# KiCad board ovc5.kicad_pcb (continued)
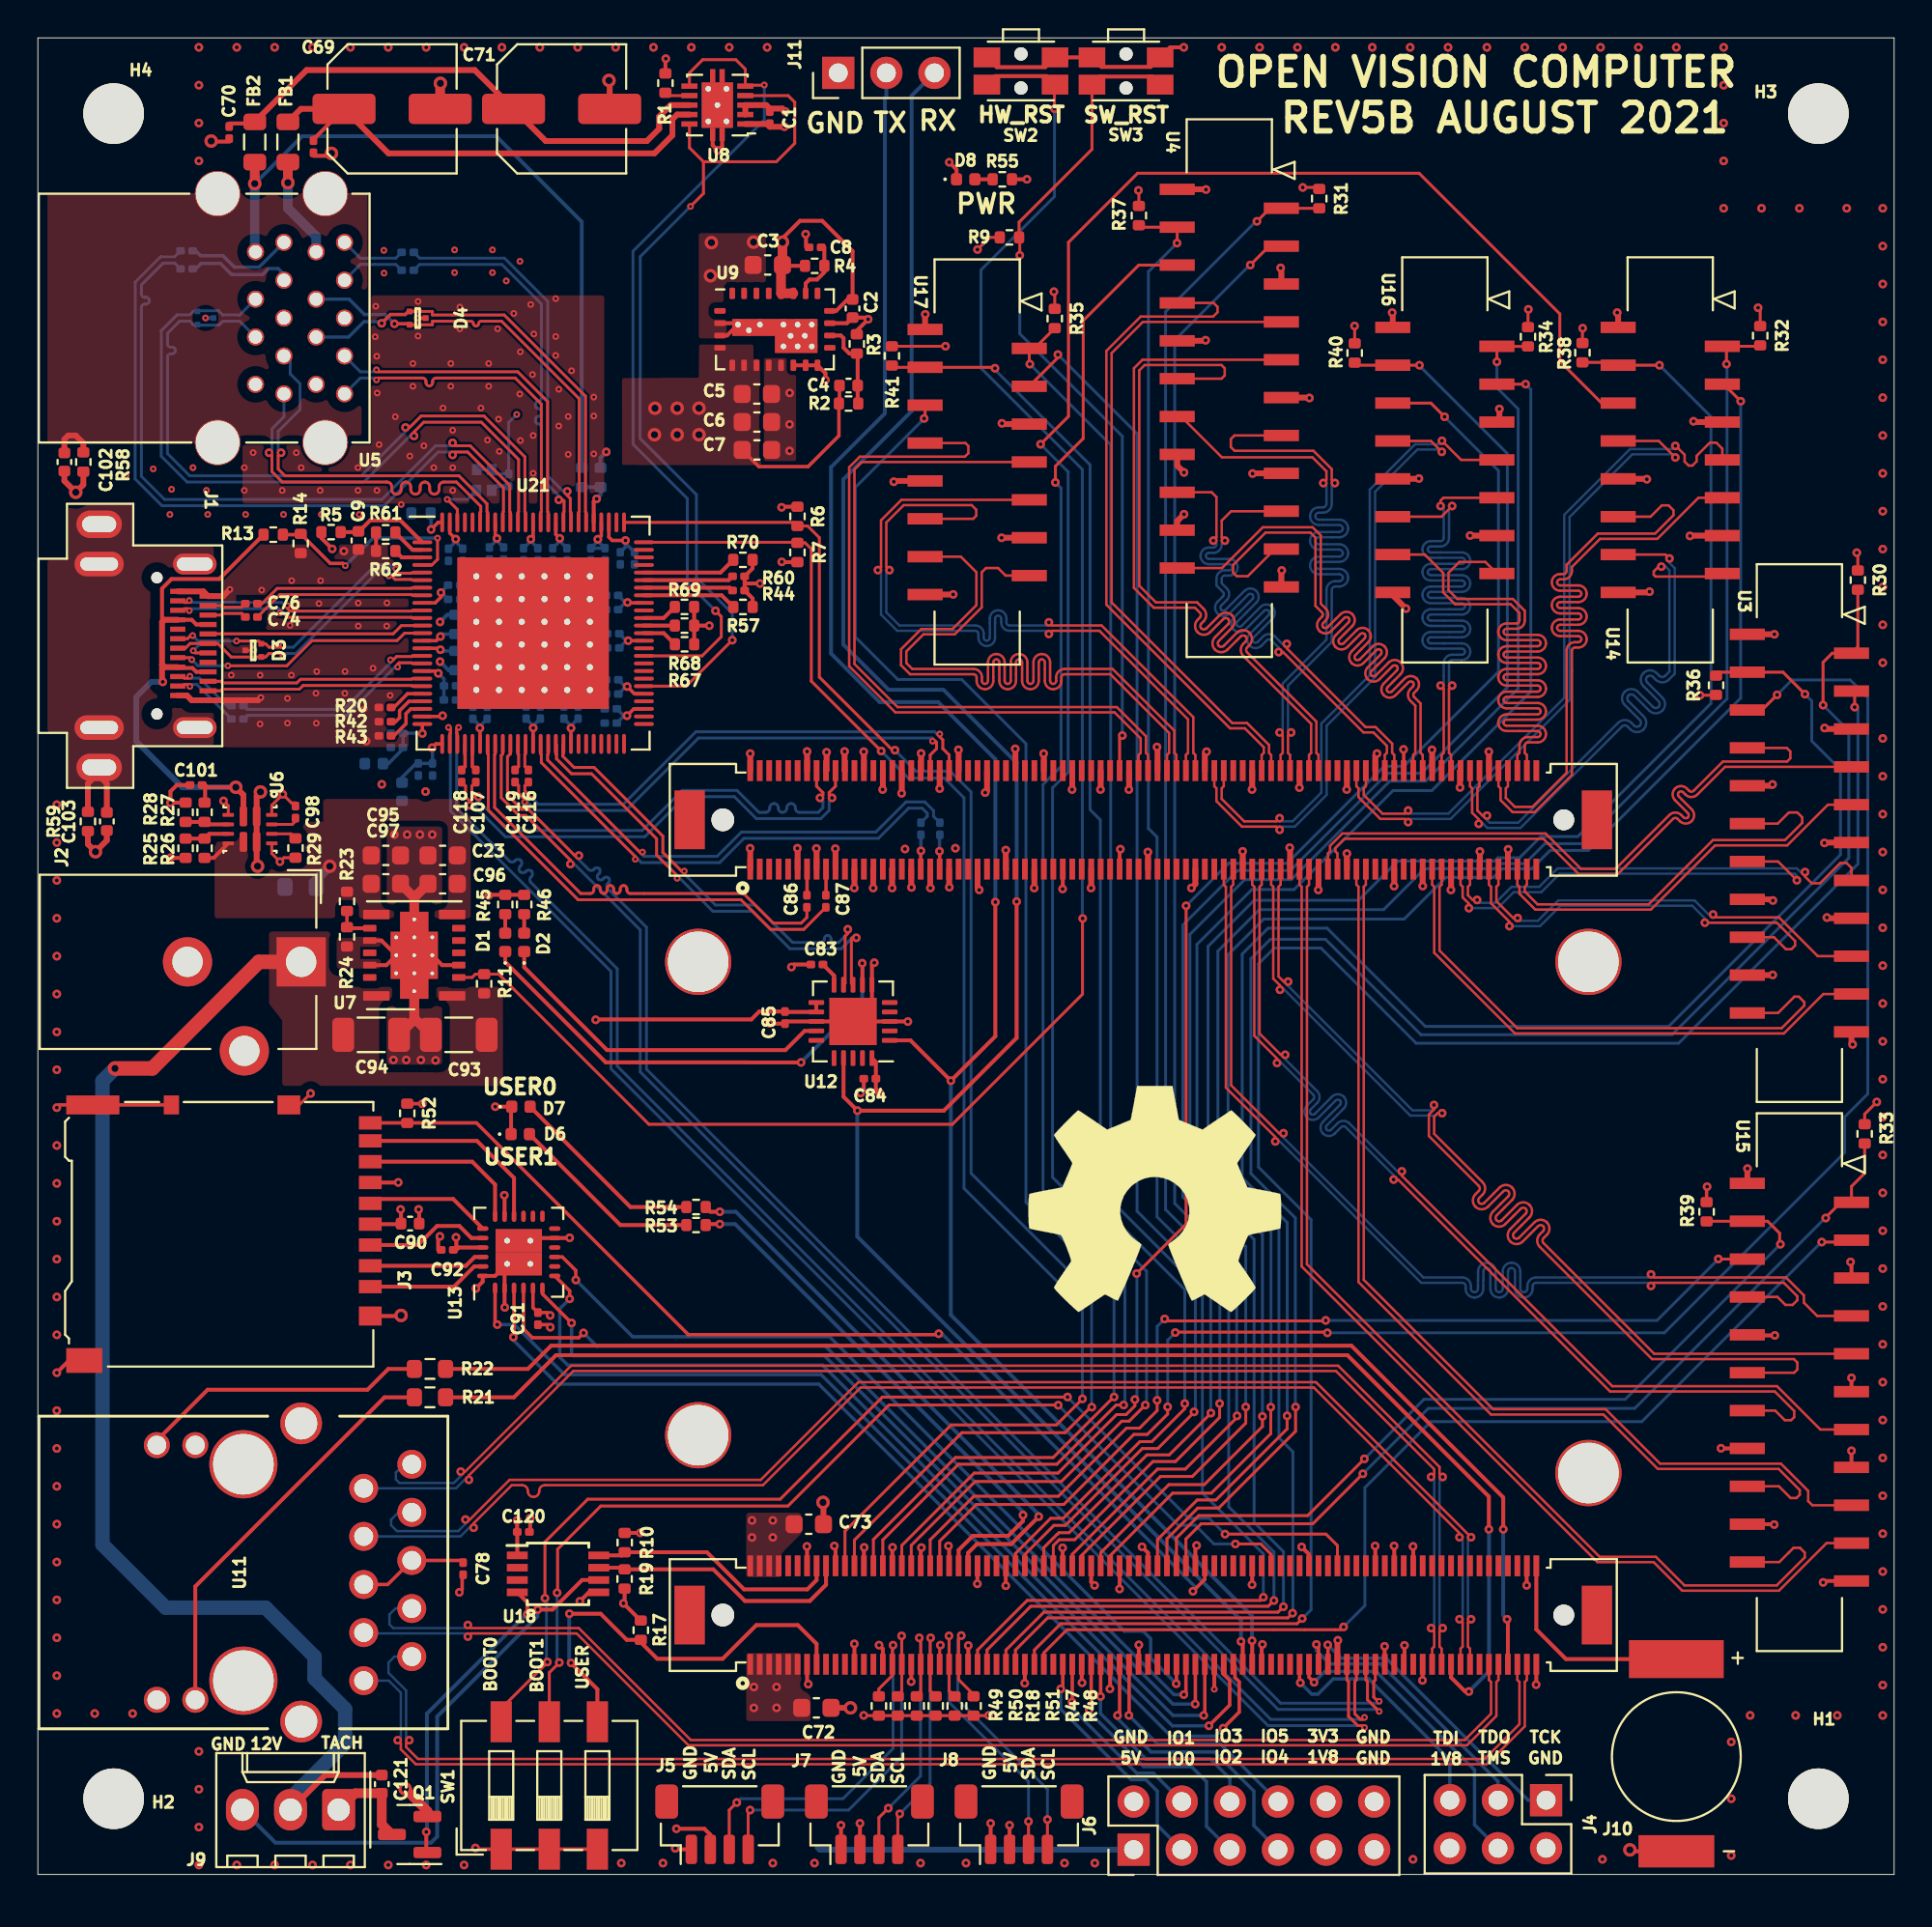
[diagram p0: board, top side]
## Routing (per net, layer and track width the routed paths; a pad name or vN(x,y) marks a point on that pad's centre or on a via; arc(x,y) is an arc through that point) (continued)
  Bottom w0.127: v1(86.45,75.45) 86.28,75.28 84.06,75.28 80.58,71.81 80.58,62.14 74.47,56.03 72.51,56.03 v1(72.34,56.19)
CAM2_DAT0+: length 31.6
  Top w0.127: U1.B154 75.61,57.47 75.72,57.36 75.72,56.08 76.07,55.72 v1(76.07,55.49) ; U14.13 85.93,69.71 v1(86.14,69.5)
  Bottom w0.127: v1(76.07,55.49) 76.3,55.49 76.53,55.27 78.27,55.27 83.63,60.63 arc(83.78,60.69) 83.93,60.63 84.08,60.48 arc(84.43,60.34) 84.77,60.48 arc(84.91,60.82) 84.77,61.17 83.97,61.97 arc(83.91,62.12) 83.97,62.27 arc(84.12,62.33) 84.27,62.27 85.07,61.47 arc(85.42,61.33) 85.76,61.47 arc(85.9,61.81) 85.76,62.16 84.96,62.96 arc(84.9,63.11) 84.96,63.26 arc(85.11,63.32) 85.26,63.26 85.41,63.1 arc(85.76,62.96) 86.11,63.1 86.42,63.42 86.42,68.99 86.14,69.27 v1(86.14,69.5)
CAM2_DAT0-: length 32.1
  Top w0.127: v1(76.5,55.92) 76.27,55.92 76,56.19 76,57.36 76.11,57.47 U1.B156 ; U14.14 88.77,68.55 85.4,68.55 85.31,68.64 85.31,68.82 85.56,69.07 v1(85.71,69.07)
  Bottom w0.127: v1(85.71,69.07) 85.94,69.07 86.14,68.88 86.14,63.53 85.91,63.3 arc(85.76,63.24) 85.61,63.3 85.46,63.45 arc(85.11,63.6) 84.77,63.45 arc(84.62,63.11) 84.77,62.76 85.56,61.96 arc(85.63,61.81) 85.56,61.67 arc(85.42,61.6) 85.27,61.67 84.47,62.46 arc(84.12,62.61) 83.78,62.46 arc(83.63,62.12) 83.78,61.77 84.57,60.97 arc(84.64,60.82) 84.57,60.68 arc(84.43,60.61) 84.28,60.68 84.13,60.83 arc(83.78,60.97) 83.43,60.83 78.15,55.55 76.64,55.55 76.5,55.69 v1(76.5,55.92)
CAM2_DAT1+: length 34.5
  Top w0.127: U1.B160 77.11,57.47 77.22,57.36 77.22,56.75 77.86,56.11 79.02,56.11 80.99,58.07 80.99,64.64 arc(81.03,64.76) 81.15,64.8 81.33,64.8 arc(81.64,64.93) 81.77,65.24 arc(81.64,65.55) 81.33,65.68 80.37,65.68 arc(80.25,65.73) 80.21,65.84 arc(80.25,65.96) 80.37,66 81.33,66 arc(81.64,66.13) 81.77,66.44 arc(81.64,66.75) 81.33,66.88 80.37,66.88 arc(80.25,66.93) 80.21,67.04 arc(80.25,67.16) 80.37,67.2 81.33,67.2 arc(81.64,67.33) 81.77,67.64 arc(81.64,67.95) 81.33,68.08 80.37,68.08 arc(80.25,68.13) 80.21,68.24 arc(80.25,68.36) 80.37,68.4 80.55,68.4 arc(80.86,68.53) 80.99,68.84 80.99,69.06 82.47,70.54 85.5,70.54 87.67,72.71 U14.10
CAM2_DAT1-: length 34.4
  Top w0.127: U14.11 85.14,71.71 85.74,72.31 86.09,72.31 86.35,72.05 86.35,71.79 85.38,70.82 82.36,70.82 80.71,69.17 80.71,68.84 arc(80.66,68.73) 80.55,68.68 80.37,68.68 arc(80.06,68.55) 79.93,68.24 arc(80.06,67.93) 80.37,67.8 81.33,67.8 arc(81.44,67.76) 81.49,67.64 arc(81.44,67.53) 81.33,67.48 80.37,67.48 arc(80.06,67.35) 79.93,67.04 arc(80.06,66.73) 80.37,66.6 81.33,66.6 arc(81.44,66.56) 81.49,66.44 arc(81.44,66.33) 81.33,66.28 80.37,66.28 arc(80.06,66.15) 79.93,65.84 arc(80.06,65.53) 80.37,65.4 81.33,65.4 arc(81.44,65.36) 81.49,65.24 arc(81.44,65.13) 81.33,65.08 81.15,65.08 arc(80.84,64.95) 80.71,64.64 80.71,58.18 78.91,56.39 77.97,56.39 77.5,56.86 77.5,57.36 77.61,57.47 U1.B162
CAM2_ENABLE: length 118.6
  Top w0.152: v1(52.94,75.54) 54.41,77.01 54.41,86.2 58.06,89.85 72.92,89.85 80.35,82.42 80.35,79.92 82.56,77.71 U14.5 ; v1(58.47,24.79) 58.46,24.79 57.61,23.94 57.22,23.94 54.04,20.76 49.48,20.76 46.11,17.38 U1.A36
  Bottom w0.152: v1(52.94,75.54) 54.39,74.08 54.39,58.21 53.57,57.39 53.57,36.82 58.53,31.85 58.53,24.85 v1(58.47,24.79)
CAM2_SCL: length 93.5
  Top w0.152: v1(64.65,24.19) 64.65,23.66 61.58,20.59 59.71,20.59 56.11,16.99 U1.A76 ; R38.2 83.28,79.86 U14.3 v1(85.61,79.71)
  Bottom w0.152: v1(85.61,79.71) 88.33,76.99 88.33,61.85 81.3,54.82 79.35,54.82 78.23,53.7 77.09,53.7 76.91,53.52 71.79,53.52 69.72,51.45 64.21,51.45 61.78,49.02 61.78,36.67 64.65,33.8 v1(64.65,24.19)
CAM2_SDA: length 91.5
  Top w0.152: U1.A78 56.61,16.84 59.91,20.14 61.95,20.14 65.09,23.28 v1(65.09,24.68) ; v1(89.15,79.77) 89.15,80.49 U14.2 90.88,80.71 R32.2
  Bottom w0.152: v1(89.15,79.77) 89.18,79.74 89.18,62.1 81.52,54.44 79.56,54.44 78.51,53.39 77.17,53.39 76.9,53.12 73.21,53.12 71.05,50.96 64.49,50.96 62.3,48.77 62.3,36.8 65.1,34 65.1,24.69 v1(65.09,24.68)
CAM2_TRIGGER: length 102.1
  Top w0.152: U1.A57 51.61,11.85 53.31,13.55 65.99,13.55 v1(66.24,13.8) ; U14.4 89,78.71 v1(89.9,77.81)
  Bottom w0.152: v1(66.24,13.8) 66.26,13.82 66.26,22.32 65.52,23.06 65.52,34.17 62.84,36.85 62.84,48.58 64.72,50.46 72.13,50.46 74.33,52.66 76.84,52.66 77.29,53.11 78.86,53.11 79.84,54.09 81.86,54.09 89.9,62.13 v1(89.9,77.81)
CAM3_CLK+: length 55.9
  Top w0.127: U15.7 91.84,30.5 92.26,30.08 92.64,30.08 92.89,30.33 92.89,30.54 92.18,31.25 85.33,31.25 v1(85.16,31.09) ; v1(65.33,38.72) 65.33,38.95 62.72,41.56 62.72,52.16 62.61,52.28 U1.B101
  Bottom w0.127: v1(65.33,38.72) 65.56,38.72 73.03,31.25 75.2,31.25 arc(75.33,31.2) 75.38,31.07 75.38,30.93 arc(75.51,30.61) 75.84,30.47 75.85,30.47 arc(76.17,30.61) 76.31,30.93 76.31,31.39 76.31,31.39 76.31,31.85 arc(76.37,31.98) 76.49,32.03 76.51,32.03 arc(76.63,31.98) 76.69,31.85 76.69,30.93 arc(76.82,30.61) 77.14,30.47 77.16,30.47 arc(77.48,30.61) 77.61,30.93 77.61,31.85 arc(77.67,31.98) 77.79,32.03 77.81,32.03 arc(77.93,31.98) 77.99,31.85 77.99,30.93 arc(78.12,30.61) 78.44,30.47 78.46,30.47 arc(78.78,30.61) 78.92,30.93 78.92,31.07 arc(78.97,31.2) 79.09,31.25 85,31.25 v1(85.16,31.09)
CAM3_CLK-: length 55.9
  Top w0.127: U15.8 93.94,29.5 93.24,30.2 93.24,30.59 92.29,31.53 85.33,31.53 v1(85.16,31.69) ; v1(65.76,39.15) 65.53,39.15 63,41.67 63,52.16 63.11,52.28 U1.B103
  Bottom w0.127: v1(85.16,31.69) 85,31.53 79.09,31.53 arc(78.77,31.4) 78.64,31.07 78.64,30.93 arc(78.58,30.8) 78.46,30.75 78.44,30.75 arc(78.32,30.8) 78.27,30.93 78.27,31.85 arc(78.13,32.17) 77.81,32.31 77.79,32.31 arc(77.47,32.17) 77.34,31.85 77.34,30.93 arc(77.28,30.8) 77.16,30.75 77.14,30.75 arc(77.02,30.8) 76.97,30.93 76.97,31.85 arc(76.83,32.17) 76.51,32.31 76.49,32.31 arc(76.17,32.17) 76.04,31.85 76.04,31.39 76.03,31.39 76.03,30.93 arc(75.98,30.8) 75.85,30.75 75.84,30.75 arc(75.71,30.8) 75.66,30.93 75.66,31.07 arc(75.52,31.4) 75.2,31.53 73.14,31.53 65.76,38.91 v1(65.76,39.15)
CAM3_DAT0+: length 53.8
  Top w0.127: v1(65.42,42.86) 65.42,43.09 64.22,44.29 64.22,52.16 64.11,52.28 U1.B107 ; v1(71.58,36.7) 71.81,36.7 83.01,25.51 91.7,25.51 92.72,24.48 92.72,24.15 92.56,24 92.22,24 91.72,24.5 U15.13
  Bottom w0.127: v1(65.42,42.86) 65.65,42.86 67.34,41.17 arc(67.39,41.06) 67.34,40.95 67,40.6 arc(66.87,40.29) 67,39.98 arc(67.31,39.85) 67.62,39.98 68.52,40.88 arc(68.63,40.93) 68.75,40.88 arc(68.79,40.77) 68.75,40.65 67.85,39.75 arc(67.72,39.44) 67.85,39.13 arc(68.16,39) 68.47,39.13 68.81,39.48 arc(68.93,39.52) 69.04,39.48 71.58,36.94 v1(71.58,36.7)
CAM3_DAT0-: length 53.8
  Top w0.127: v1(72.01,37.13) 72.01,36.9 83.12,25.79 91.82,25.79 94.1,23.5 U15.14 ; U1.B109 64.61,52.28 64.5,52.16 64.5,44.41 65.62,43.29 v1(65.85,43.29)
  Bottom w0.127: v1(72.01,37.13) 71.78,37.13 69.24,39.67 arc(68.93,39.8) 68.61,39.67 68.27,39.33 arc(68.16,39.28) 68.04,39.33 arc(68,39.44) 68.04,39.56 68.94,40.46 arc(69.07,40.77) 68.94,41.08 arc(68.63,41.21) 68.32,41.08 67.42,40.18 arc(67.31,40.13) 67.2,40.18 arc(67.15,40.29) 67.2,40.41 67.54,40.75 arc(67.67,41.06) 67.54,41.37 65.85,43.06 v1(65.85,43.29)
CAM3_DAT1+: length 55
  Top w0.127: v1(65.58,46.73) 65.58,46.96 65.22,47.31 65.22,52.16 65.11,52.28 U1.B111 ; U15.10 85.33,27.5 79.49,33.34 arc(79.44,33.48) 79.49,33.61 79.67,33.78 arc(79.8,34.11) 79.67,34.44 arc(79.34,34.58) 79.01,34.44 78.2,33.63 arc(78.06,33.57) 77.93,33.63 arc(77.88,33.76) 77.93,33.89 78.75,34.7 arc(78.88,35.03) 78.75,35.36 arc(78.42,35.5) 78.09,35.36 77.28,34.55 arc(77.14,34.49) 77.01,34.55 arc(76.96,34.68) 77.01,34.81 77.83,35.62 arc(77.96,35.95) 77.83,36.28 arc(77.5,36.42) 77.17,36.28 76.36,35.47 arc(76.23,35.41) 76.09,35.47 arc(76.04,35.6) 76.09,35.73 76.27,35.91 arc(76.41,36.23) 76.27,36.56 73.72,39.12 73.72,40.02 73.9,40.21 v1(74.14,40.21)
  Bottom w0.127: v1(74.14,40.21) 73.9,40.21 73.78,40.08 72.45,40.08 65.81,46.73 v1(65.58,46.73)
CAM3_DAT1-: length 55.3
  Top w0.127: v1(66.01,47.16) 65.77,47.16 65.5,47.43 65.5,52.16 65.61,52.28 U1.B113 ; U15.11 92.72,26.5 92.89,26.67 92.89,27.04 92.71,27.22 85.22,27.22 79.29,33.15 arc(79.16,33.48) 79.29,33.8 79.47,33.98 arc(79.52,34.11) 79.47,34.24 arc(79.34,34.3) 79.21,34.24 78.39,33.43 arc(78.06,33.29) 77.74,33.43 arc(77.6,33.76) 77.74,34.09 78.14,34.49 78.14,34.49 78.55,34.9 arc(78.6,35.03) 78.55,35.16 arc(78.42,35.22) 78.29,35.16 77.47,34.35 arc(77.14,34.21) 76.82,34.35 arc(76.68,34.68) 76.82,35.01 77.63,35.82 arc(77.69,35.95) 77.63,36.08 arc(77.5,36.14) 77.37,36.08 76.55,35.27 arc(76.23,35.13) 75.9,35.27 arc(75.76,35.6) 75.9,35.92 76.07,36.1 arc(76.13,36.23) 76.07,36.36 73.44,39 73.44,40.14 73.71,40.41 v1(73.71,40.64)
  Bottom w0.127: v1(73.71,40.64) 73.71,40.41 73.66,40.36 72.57,40.36 66.01,46.92 v1(66.01,47.16)
CAM3_DAT2+: length 53.1
  Top w0.127: U1.B129 69.61,52.28 69.72,52.16 69.72,31.29 76.72,24.29 82.65,24.29 85.53,21.42 91.9,21.42 93.02,20.3 93.02,20.06 92.84,19.88 92.54,19.88 91.92,20.5 U15.17
CAM3_DAT2-: length 52.7
  Top w0.127: U1.B131 70.11,52.28 70,52.16 70,31.4 76.83,24.57 82.77,24.57 85.64,21.7 92.02,21.7 93.46,20.25 93.46,19.72 93.68,19.5 U15.18
CAM3_DAT3+: length 58.2
  Top w0.127: U15.20 94.43,17.5 91.92,14.99 86.81,14.99 85.3,16.5 82.34,16.5 66.72,32.11 66.72,52.16 66.61,52.28 U1.B117
CAM3_DAT3-: length 58.5
  Top w0.127: U15.21 91.94,16.5 92.44,17 92.44,17 92.69,17.25 93.03,17.25 93.28,17 93.28,16.74 91.8,15.27 86.93,15.27 85.42,16.78 82.45,16.78 67,32.23 67,52.16 67.11,52.28 U1.B119
CAM3_ENABLE: length 53.4
  Top w0.152: v1(88.72,32.51) 88.73,32.5 U15.5 ; v1(59.09,25.04) 59.09,24.5 58.16,23.57 57.47,23.57 53.88,19.98 49.41,19.98 47.11,17.67 U1.A40 ; v1(59.49,29.34) 59.6,29.23 67.96,29.23 v1(67.99,29.26)
  Bottom w0.152: v1(67.99,29.26) 85.48,29.26 88.72,32.5 v1(88.72,32.51) ; v1(59.09,25.04) 59.09,25.04 59.09,28.94 v1(59.49,29.34)
CAM3_SCL: length 44.5
  Top w0.152: U1.A92 60.11,17.77 61.29,18.95 67.03,18.95 v1(70.03,21.95) ; R39.2 88.11,34.5 U15.3 91.32,34.5 91.96,33.86 91.96,33.32 v1(92,33.28)
  Bottom w0.152: v1(70.03,21.95) 73.18,25.09 83.81,25.09 v1(92,33.28)
CAM3_SDA: length 47.3
  Top w0.152: U1.A94 60.61,17.72 61.41,18.52 67.31,18.52 v1(69.95,21.16) ; R33.2 96.44,37.03 95.75,36.34 U15.2 95.19,35.5 94.39,34.7 v1(94.39,34.67)
  Bottom w0.152: v1(69.95,21.16) 73.41,24.62 84.31,24.62 94.36,34.67 v1(94.39,34.67)
CAM3_TRIGGER: length 55.9
  Top w0.152: v1(94.18,33.4) 95.65,33.4 U15.4 ; v1(68.94,13.08) 68.79,12.93 54.33,12.93 53.11,11.71 U1.A63
  Bottom w0.152: v1(68.94,13.08) 70.06,14.2 70.06,20.43 73.55,23.92 84.68,23.92 94.16,33.4 v1(94.18,33.4)
CAM4_CLK+: length 33.3
  Top w0.127: U16.7 73.55,75.71 v1(74.12,75.14) ; v1(65.56,55.18) 65.39,55.34 63.57,55.34 62.22,56.69 62.22,57.36 62.11,57.47 U1.B100
  Bottom w0.127: v1(65.56,55.18) 65.72,55.34 66.36,55.34 68.04,57.02 68.04,60.67 70.6,63.23 70.6,73.03 72.83,75.26 74,75.26 v1(74.12,75.14)
CAM4_CLK-: length 33.3
  Top w0.127: v1(74.13,75.72) 75.14,74.71 U16.8 ; v1(65.56,55.79) 65.39,55.62 63.68,55.62 62.5,56.81 62.5,57.36 62.61,57.47 U1.B102
  Bottom w0.127: v1(74.13,75.72) 73.95,75.54 72.71,75.54 70.32,73.14 70.32,63.34 67.76,60.78 67.76,57.14 66.24,55.62 65.72,55.62 v1(65.56,55.79)
CAM4_DAT0+: length 36.5
  Top w0.127: U16.13 73.22,69.71 74.19,68.74 74.19,67.71 74.82,67.09 77.76,67.09 78.22,66.62 78.22,66.23 arc(78.17,66.12) 78.06,66.07 77.54,66.07 arc(77.23,65.94) 77.1,65.63 arc(77.23,65.32) 77.54,65.19 79.18,65.19 arc(79.29,65.14) 79.34,65.03 arc(79.29,64.92) 79.18,64.87 77.54,64.87 arc(77.23,64.74) 77.1,64.43 arc(77.23,64.12) 77.54,63.99 79.18,63.99 arc(79.29,63.94) 79.34,63.83 arc(79.29,63.72) 79.18,63.67 77.54,63.67 arc(77.23,63.54) 77.1,63.23 arc(77.23,62.92) 77.54,62.79 79.18,62.79 arc(79.29,62.74) 79.34,62.63 arc(79.29,62.52) 79.18,62.47 77.54,62.47 arc(77.23,62.34) 77.1,62.03 arc(77.23,61.72) 77.54,61.59 79.18,61.59 arc(79.29,61.54) 79.34,61.43 arc(79.29,61.32) 79.18,61.27 77.54,61.27 arc(77.23,61.14) 77.1,60.83 arc(77.23,60.52) 77.54,60.39 79.18,60.39 arc(79.29,60.34) 79.34,60.23 arc(79.29,60.12) 79.18,60.07 78.66,60.07 arc(78.35,59.94) 78.22,59.63 78.22,59.24 78.11,59.13 U1.B164
CAM4_DAT0-: length 36.5
  Top w0.127: U1.B166 78.61,59.13 78.5,59.24 78.5,59.63 arc(78.55,59.74) 78.66,59.79 79.18,59.79 arc(79.49,59.92) 79.62,60.23 arc(79.49,60.54) 79.18,60.67 77.54,60.67 arc(77.43,60.72) 77.38,60.83 arc(77.43,60.94) 77.54,60.99 79.18,60.99 arc(79.49,61.12) 79.62,61.43 arc(79.49,61.74) 79.18,61.87 77.54,61.87 arc(77.43,61.92) 77.38,62.03 arc(77.43,62.14) 77.54,62.19 79.18,62.19 arc(79.49,62.32) 79.62,62.63 arc(79.49,62.94) 79.18,63.07 77.54,63.07 arc(77.43,63.12) 77.38,63.23 arc(77.43,63.34) 77.54,63.39 79.18,63.39 arc(79.49,63.52) 79.62,63.83 arc(79.49,64.14) 79.18,64.27 77.54,64.27 arc(77.43,64.32) 77.38,64.43 arc(77.43,64.54) 77.54,64.59 79.18,64.59 arc(79.49,64.72) 79.62,65.03 arc(79.49,65.34) 79.18,65.47 77.54,65.47 arc(77.43,65.52) 77.38,65.63 arc(77.43,65.74) 77.54,65.79 78.06,65.79 arc(78.37,65.92) 78.5,66.23 78.5,66.74 77.87,67.37 74.94,67.37 74.47,67.83 74.47,68.74 75.05,69.32 76.42,69.32 U16.14
CAM4_DAT1+: length 37.2
  Top w0.127: v1(74.06,62.79) 74.22,62.62 74.22,59.24 74.11,59.13 U1.B148 ; U16.10 74.2,72.71 74.06,72.57 v1(74.06,72.27)
  Bottom w0.127: v1(74.06,62.79) 74.22,62.95 74.22,63.98 arc(74.35,64.29) 74.66,64.42 75.18,64.42 arc(75.3,64.47) 75.34,64.58 arc(75.3,64.69) 75.18,64.74 73.54,64.74 arc(73.23,64.87) 73.1,65.18 arc(73.23,65.49) 73.54,65.62 75.18,65.62 arc(75.3,65.67) 75.34,65.78 arc(75.3,65.89) 75.18,65.94 73.54,65.94 arc(73.23,66.07) 73.1,66.38 arc(73.23,66.69) 73.54,66.82 75.18,66.82 arc(75.3,66.87) 75.34,66.98 arc(75.3,67.09) 75.18,67.14 73.54,67.14 arc(73.23,67.27) 73.1,67.58 arc(73.23,67.89) 73.54,68.02 75.18,68.02 arc(75.3,68.07) 75.34,68.18 arc(75.3,68.29) 75.18,68.34 73.54,68.34 arc(73.23,68.47) 73.1,68.78 arc(73.23,69.09) 73.54,69.22 75.18,69.22 arc(75.3,69.27) 75.34,69.38 arc(75.3,69.49) 75.18,69.54 73.54,69.54 arc(73.23,69.67) 73.1,69.98 arc(73.23,70.29) 73.54,70.42 74.06,70.42 arc(74.17,70.47) 74.22,70.58 74.22,72.11 v1(74.06,72.27)
CAM4_DAT1-: length 37.2
  Top w0.127: U16.11 74.1,71.71 v1(74.66,72.27) ; U1.B150 74.61,59.13 74.5,59.24 74.5,62.62 v1(74.66,62.79)
  Bottom w0.127: v1(74.66,72.27) 74.5,72.11 74.5,70.58 arc(74.37,70.27) 74.06,70.14 73.54,70.14 arc(73.42,70.09) 73.38,69.98 arc(73.42,69.87) 73.54,69.82 75.18,69.82 arc(75.49,69.69) 75.62,69.38 arc(75.49,69.07) 75.18,68.94 73.54,68.94 arc(73.42,68.89) 73.38,68.78 arc(73.42,68.67) 73.54,68.62 75.18,68.62 arc(75.49,68.49) 75.62,68.18 arc(75.49,67.87) 75.18,67.74 73.54,67.74 arc(73.42,67.69) 73.38,67.58 arc(73.42,67.47) 73.54,67.42 75.18,67.42 arc(75.49,67.29) 75.62,66.98 arc(75.49,66.67) 75.18,66.54 73.54,66.54 arc(73.42,66.49) 73.38,66.38 arc(73.42,66.27) 73.54,66.22 75.18,66.22 arc(75.49,66.09) 75.62,65.78 arc(75.49,65.47) 75.18,65.34 73.54,65.34 arc(73.42,65.29) 73.38,65.18 arc(73.42,65.07) 73.54,65.02 75.18,65.02 arc(75.49,64.89) 75.62,64.58 arc(75.49,64.27) 75.18,64.14 74.66,64.14 arc(74.55,64.09) 74.5,63.98 74.5,62.95 v1(74.66,62.79)
CAM4_ENABLE: length 83.3
  Top w0.152: v1(74.27,76.99) 73.54,77.71 U16.5 ; U1.A34 45.61,17.38 49.43,21.2 53.86,21.2 56.95,24.29 57.45,24.29 57.92,24.75 v1(57.92,25.08) ; v1(60.62,51.16) 60.62,34.35 v1(58.01,31.74)
  Bottom w0.152: v1(58.01,31.74) 58.02,31.72 58.02,25.19 v1(57.92,25.08) ; v1(60.62,51.16) 62.87,53.4 65.95,53.4 71.08,58.53 72.12,58.53 77.11,63.52 77.11,74.14 74.27,76.98 v1(74.27,76.99)
CAM4_SCL: length 84.2
  Top w0.152: v1(72.94,79.71) U16.3 69.66,79.71 R40.2 ; U1.A70 54.61,16.91 59.11,21.41 60.58,21.41 63.31,24.14 v1(63.31,24.22)
  Bottom w0.152: v1(72.94,79.71) 72.94,79.68 77.58,75.04 77.58,62.69 73.05,58.16 71.26,58.16 66.12,53.02 63.33,53.02 60.45,50.14 60.45,35.78 63.29,32.94 63.29,24.24 v1(63.31,24.22)
CAM4_SDA: length 82
  Top w0.152: U1.A72 55.11,16.86 59.27,21.02 60.95,21.02 63.77,23.84 v1(63.77,24.69) ; v1(77.03,79.89) U16.2 77.04,80.7 R34.2
  Bottom w0.152: v1(63.77,24.69) 63.77,33.16 60.82,36.11 60.82,49.65 63.71,52.54 66.17,52.54 71.38,57.75 73.27,57.75 78.15,62.63 78.15,77.4 77.03,78.52 v1(77.03,79.89)
CAM4_TRIGGER: length 94.2
  Top w0.152: U1.A55 51.11,11.85 53.11,13.86 65.48,13.86 v1(65.76,14.14) ; U16.4 v1(78.55,78.71)
  Bottom w0.152: v1(65.76,14.14) 65.76,17.05 64.21,18.6 64.21,33.54 61.19,36.56 61.19,49.12 64.09,52.02 66.32,52.02 71.55,57.25 73.59,57.25 78.82,62.47 78.82,78.44 v1(78.55,78.71)
CAM5_CLK+: length 38.5
  Top w0.127: U1.B84 58.11,59.13 58.22,59.24 58.22,60 56.84,61.38 45.27,61.38 42.83,63.81 42.83,74.32 43.39,74.88 48.94,74.88 49.12,75.06 49.12,75.44 48.97,75.6 U17.7
CAM5_CLK-: length 38.5
  Top w0.127: U17.8 43.51,74.6 43.11,74.2 43.11,63.93 45.38,61.66 56.96,61.66 58.5,60.11 58.5,59.24 58.61,59.13 U1.B86
CAM5_DAT0+: length 37.2
  Top w0.127: U1.B90 59.61,59.13 59.72,59.24 59.72,60.29 56.62,63.39 54.2,63.39 arc(54.09,63.34) 54.04,63.23 54.04,63.04 arc(53.91,62.73) 53.6,62.6 arc(53.29,62.73) 53.16,63.04 53.16,64.02 arc(53.11,64.13) 53,64.18 arc(52.89,64.13) 52.84,64.02 52.84,63.04 arc(52.71,62.73) 52.4,62.6 arc(52.09,62.73) 51.96,63.04 51.96,64.02 arc(51.91,64.13) 51.8,64.18 arc(51.69,64.13) 51.64,64.02 51.64,63.04 arc(51.51,62.73) 51.2,62.6 arc(50.89,62.73) 50.76,63.04 50.76,64.02 arc(50.71,64.13) 50.6,64.18 arc(50.49,64.13) 50.44,64.02 50.44,63.04 arc(50.31,62.73) 50,62.6 arc(49.69,62.73) 49.56,63.04 49.56,63.23 arc(49.51,63.34) 49.4,63.39 46.05,63.39 45.57,63.87 45.57,64.71 46.64,65.78 48.29,65.78 49.55,67.04 49.55,68.77 48.72,69.6 U17.13
CAM5_DAT0-: length 37
  Top w0.127: U1.B92 60.11,59.13 60,59.24 60,60.41 56.74,63.67 54.2,63.67 arc(53.89,63.54) 53.76,63.23 53.76,63.04 arc(53.71,62.93) 53.6,62.88 arc(53.49,62.93) 53.44,63.04 53.44,64.02 arc(53.31,64.33) 53,64.46 arc(52.69,64.33) 52.56,64.02 52.56,63.04 arc(52.51,62.93) 52.4,62.88 arc(52.29,62.93) 52.24,63.04 52.24,64.02 arc(52.11,64.33) 51.8,64.46 arc(51.49,64.33) 51.36,64.02 51.36,63.04 arc(51.31,62.93) 51.2,62.88 arc(51.09,62.93) 51.04,63.04 51.04,64.02 arc(50.91,64.33) 50.6,64.46 arc(50.29,64.33) 50.16,64.02 50.16,63.04 arc(50.11,62.93) 50,62.88 arc(49.89,62.93) 49.84,63.04 49.84,63.23 arc(49.71,63.54) 49.4,63.67 46.16,63.67 45.85,63.98 45.85,64.59 46.76,65.5 48.41,65.5 49.83,66.92 49.83,68.77 50.06,69 50.69,69 51.09,68.6 U17.14
CAM5_DAT1+: length 37.2
  Top w0.127: U1.B94 60.61,59.13 60.72,59.24 60.72,61.01 56.04,65.69 53.54,65.69 v1(53.38,65.52) ; v1(44.35,68.89) 44.51,69.06 44.51,71.52 45.59,72.6 U17.10
  Bottom w0.127: v1(53.38,65.52) 53.21,65.69 51.3,65.69 arc(50.98,65.81) 50.86,66.12 50.86,66.33 arc(50.81,66.44) 50.7,66.49 arc(50.58,66.44) 50.53,66.33 50.53,65.32 arc(50.41,65.01) 50.1,64.88 arc(49.78,65.01) 49.66,65.32 49.66,65.53 arc(49.61,65.64) 49.5,65.69 45.37,65.69 44.51,66.54 44.51,68.72 v1(44.35,68.89)
CAM5_DAT1-: length 37.1
  Top w0.127: v1(44.96,68.89) 44.79,69.06 44.79,71.41 45.71,72.32 49.3,72.32 49.54,72.08 49.54,71.76 49.38,71.6 U17.11 ; v1(53.38,66.13) 53.54,65.96 56.16,65.96 61,61.12 61,59.24 61.11,59.13 U1.B96
  Bottom w0.127: v1(44.96,68.89) 44.79,68.72 44.79,66.66 45.48,65.96 49.5,65.96 arc(49.81,65.84) 49.94,65.53 49.94,65.32 arc(49.98,65.21) 50.1,65.16 arc(50.21,65.21) 50.26,65.32 50.26,66.33 arc(50.38,66.64) 50.7,66.77 arc(51.01,66.64) 51.14,66.33 51.14,66.12 arc(51.18,66.01) 51.3,65.96 53.21,65.96 v1(53.38,66.13)
CAM5_ENABLE: length 78.7
  Top w0.152: U1.A28 44.11,17.69 48.44,22.02 53.6,22.02 56.8,25.22 v1(56.82,25.22) ; v1(46.79,76.9) 46.84,76.95 U17.5
  Bottom w0.152: v1(56.82,25.22) 56.82,30.85 52.17,35.5 52.17,59.72 48.77,63.11 45.4,63.11 43.16,65.35 43.16,73.26 46.79,76.89 v1(46.79,76.9)
CAM5_SCL: length 77.4
  Top w0.152: v1(60.55,24.87) 60.55,24.6 58.81,22.86 58.18,22.86 54.13,18.81 53.47,18.81 51.61,16.95 U1.A58 ; v1(50.53,79.55) 50.48,79.6 U17.3 45.18,79.6 45.09,79.69
  Bottom w0.152: v1(60.55,24.87) 60.55,30.89 56.09,35.35 56.09,55.7 55.55,56.24 55.55,74.45 50.53,79.47 v1(50.53,79.55)
CAM5_SDA: length 74.3
  Top w0.152: R35.2 52.62,80.6 U17.2 52.34,79.8 v1(52.37,79.77) ; U1.A60 52.11,16.91 53.64,18.44 54.25,18.44 58.31,22.5 59.13,22.5 61.04,24.41 v1(61.04,24.43)
  Bottom w0.152: v1(52.37,79.77) 56.64,75.5 56.64,35.62 61.11,31.15 61.11,24.5 v1(61.04,24.43)
CAM5_TRIGGER: length 89.4
  Top w0.152: U1.A49 49.61,11.85 52.23,14.47 64.53,14.47 v1(64.7,14.64) ; v1(53.85,80.27) 53.85,80.11 U17.4
  Bottom w0.152: v1(64.7,14.64) 64.7,16.93 61.48,20.15 61.48,31.58 58.03,35.03 58.03,76.09 v1(53.85,80.27)
DEBUG_UART_RX: length 109.2
  Top w0.203: U12.17 42.53,41.08 v1(43.27,40.34) 47.83,40.34 51.67,44.18 v1(51.67,51.38) ; U1.A105 63.61,12.22 v1(63.52,12.31)
  Bottom w0.203: v1(43.27,40.34) 43.26,40.33 43.26,33.69 63.52,13.43 v1(63.52,12.31) ; J11.3 46.13,93.95 46.13,77.29 42.53,73.68 42.53,64.95 44.91,62.57 47.81,62.57 51.67,58.71 v1(51.67,51.38)
DEBUG_UART_TX: length 102.3
  Top w0.203: U12.1 46.07,44.05 v1(48.2,41.92) 50.55,44.27 v1(50.55,51.36) ; v1(64.1,12.35) 64.11,12.34 U1.A107
  Bottom w0.203: v1(50.55,51.36) 50.55,58.9 47.53,61.92 44.44,61.92 41.87,64.49 41.87,74.32 44.72,77.17 44.72,93.81 44.8,93.89 J11.2 ; v1(48.2,41.92) 48.2,29.55 64.1,13.65 v1(64.1,12.35)
FPGA_FAN_CLK: length 13.3
  Top w0.203: U1.A16 41.11,15.55 40.62,15.06 37.28,15.06 35.32,17.02 R10.1 30.81,16.85 U18.8
FPGA_FAN_DATA: length 14.1
  Top w0.203: U1.A18 41.61,15.3 40.75,14.44 37.33,14.44 35.66,16.12 R19.1 30.89,16.2 29.61,16.2
FPGA_USB0_D+: length 80.6
  Top w0.152: U1.A127 69.11,10.28 69.19,10.19 69.19,8.35 69.68,7.86 69.94,7.86 v3(70.04,7.76) ; v3(21.68,60.58) 21.78,60.48 21.78,60.27 21.74,60.23 21.74,59.71
  Bottom w0.152: v3(21.68,60.58) 21.78,60.48 21.78,56.17 30.25,47.7 30.25,42.56 64.95,7.86 69.94,7.86 v3(70.04,7.76)
FPGA_USB0_D-: length 80.6
  Top w0.152: v3(70.04,8.29) 69.94,8.19 69.82,8.19 69.53,8.49 69.53,10.19 69.61,10.28 U1.A129 ; v3(22.21,60.58) 22.11,60.48 22.11,60.27 22.15,60.23 U21.28
  Bottom w0.152: v3(22.21,60.58) 22.11,60.48 22.11,56.31 24.9,53.53 arc(25.04,53.47) 25.18,53.53 25.21,53.56 arc(25.35,53.62) 25.49,53.56 arc(25.55,53.42) 25.49,53.27 25.46,53.24 arc(25.4,53.1) 25.46,52.96 arc(25.6,52.9) 25.74,52.96 25.78,52.99 arc(25.92,53.05) 26.06,52.99 arc(26.12,52.85) 26.06,52.71 26.03,52.68 arc(25.97,52.54) 26.03,52.39 30.59,47.84 30.59,42.69 65.09,8.19 69.94,8.19 v3(70.04,8.29)
FPGA_USB0_RX+: length 25
  Top w0.152: v1(41.29,56.86) 41.44,57.01 41.44,57.14 41.11,57.47 U1.B16 ; C107.2 22.91,57.48 22.91,57.05 23.04,56.92 v1(23.26,56.92)
  Bottom w0.152: v1(23.26,56.92) 23.26,56.7 24.82,55.14 31.9,55.14 34.02,57.26 36.91,57.26 38.07,56.1 38.42,56.1 arc(38.57,56.16) 38.64,56.32 38.64,56.34 arc(38.71,56.5) 38.87,56.56 arc(39.02,56.5) 39.09,56.34 39.09,56.32 arc(39.16,56.16) 39.32,56.1 arc(39.47,56.16) 39.54,56.32 39.54,56.34 arc(39.61,56.5) 39.77,56.56 arc(39.92,56.5) 39.99,56.34 39.99,56.32 arc(40.06,56.16) 40.22,56.1 41.2,56.1 41.44,56.34 41.44,56.71 v1(41.29,56.86)
FPGA_USB0_RX-: length 25
  Top w0.152: U1.B20 42.11,57.47 41.78,57.14 41.78,57.01 v1(41.93,56.86) ; v1(22.81,56.47) 22.81,56.69 22.58,56.91 22.58,57.48 C118.2
  Bottom w0.152: v1(41.93,56.86) 41.78,56.71 41.78,56.2 41.34,55.76 37.93,55.76 36.77,56.92 34.16,56.92 32.04,54.8 24.69,54.8 23.02,56.47 v1(22.81,56.47)
FPGA_USB0_TX+: length 24.7
  Top w0.152: C86.1 40.6,50.55 40.3,50.24 38.82,50.24 37.26,51.81 31.27,51.81 arc(31.15,51.86) 31.1,51.98 31.1,52.06 arc(31.05,52.18) 30.92,52.23 arc(30.8,52.18) 30.75,52.06 30.75,51.98 arc(30.7,51.86) 30.57,51.81 arc(30.45,51.86) 30.4,51.98 30.4,52.06 arc(30.35,52.18) 30.22,52.23 arc(30.1,52.18) 30.05,52.06 30.05,51.98 arc(30,51.86) 29.87,51.81 arc(29.75,51.86) 29.7,51.98 29.7,52.06 arc(29.65,52.18) 29.52,52.23 arc(29.4,52.18) 29.35,52.06 29.35,51.98 arc(29.3,51.86) 29.17,51.81 28.66,51.81 24.11,56.36 24.11,59.15 24.15,59.19 U21.33
FPGA_USB0_TX-: length 24.4
  Top w0.152: 23.74,59.71 23.74,59.19 23.78,59.15 23.78,56.22 28.52,51.48 37.12,51.48 38.69,49.91 40.43,49.91 C87.1
FPGA_USB1_D+: length 76.5
  Top w0.152: U21.34 24.55,59.19 24.46,59.1 24.46,56.87 25.4,55.93 25.76,55.93 28.11,53.58 v1(28.11,53.36) ; U1.A131 70.11,10.28 70.19,10.19 70.19,9.23 70.66,8.77 70.66,8.77 v3(70.81,8.61)
  Bottom w0.152: v3(70.81,8.61) 70.71,8.71 65.48,8.71 31.8,42.39 31.8,49.89 28.33,53.36 v1(28.11,53.36)
FPGA_USB1_D-: length 76.5
  Top w0.152: v1(28.56,53.81) 28.35,53.81 25.9,56.26 25.54,56.26 24.79,57.01 24.79,59.03 24.95,59.19 U21.35 ; v3(70.81,9.15) 70.75,9.15 70.53,9.37 70.53,10.19 70.61,10.28 U1.A133
  Bottom w0.152: v3(70.81,9.15) 70.71,9.04 65.61,9.04 32.13,42.53 32.13,50.03 30.08,52.08 arc(30.03,52.2) 30.08,52.33 30.13,52.38 arc(30.18,52.5) 30.13,52.63 arc(30.01,52.68) 29.88,52.63 29.83,52.57 arc(29.71,52.52) 29.58,52.57 arc(29.53,52.7) 29.58,52.82 29.64,52.87 arc(29.69,53) 29.64,53.12 arc(29.51,53.17) 29.39,53.12 29.34,53.07 arc(29.21,53.02) 29.09,53.07 28.56,53.6 v1(28.56,53.81)
FPGA_USB1_RX+: length 26.6
  Top w0.152: v3(25.7,56.64) 25.7,56.78 25.38,57.1 25.38,57.51 25.2,57.69 ; v3(47.23,59.86) 47.38,59.86 47.44,59.79 47.44,59.46 47.11,59.13 U1.B40
  Bottom w0.152: v3(47.23,59.86) 47.23,60 47.21,60.02 34.88,60.02 31.05,56.19 26.29,56.19 25.84,56.64 v3(25.7,56.64)
FPGA_USB1_RX-: length 26.6
  Top w0.152: 25.9,57.69 25.71,57.51 25.71,57.24 25.93,57.02 v3(26.07,57.02) ; U1.B44 48.11,59.13 47.78,59.46 47.78,59.93 47.61,60.09 v3(47.61,60.23)
  Bottom w0.152: v3(47.61,60.23) 47.47,60.23 47.35,60.35 34.74,60.35 30.91,56.52 26.42,56.52 26.07,56.87 v3(26.07,57.02)
